# Altium PCB motor_drive.PcbDoc (continued)
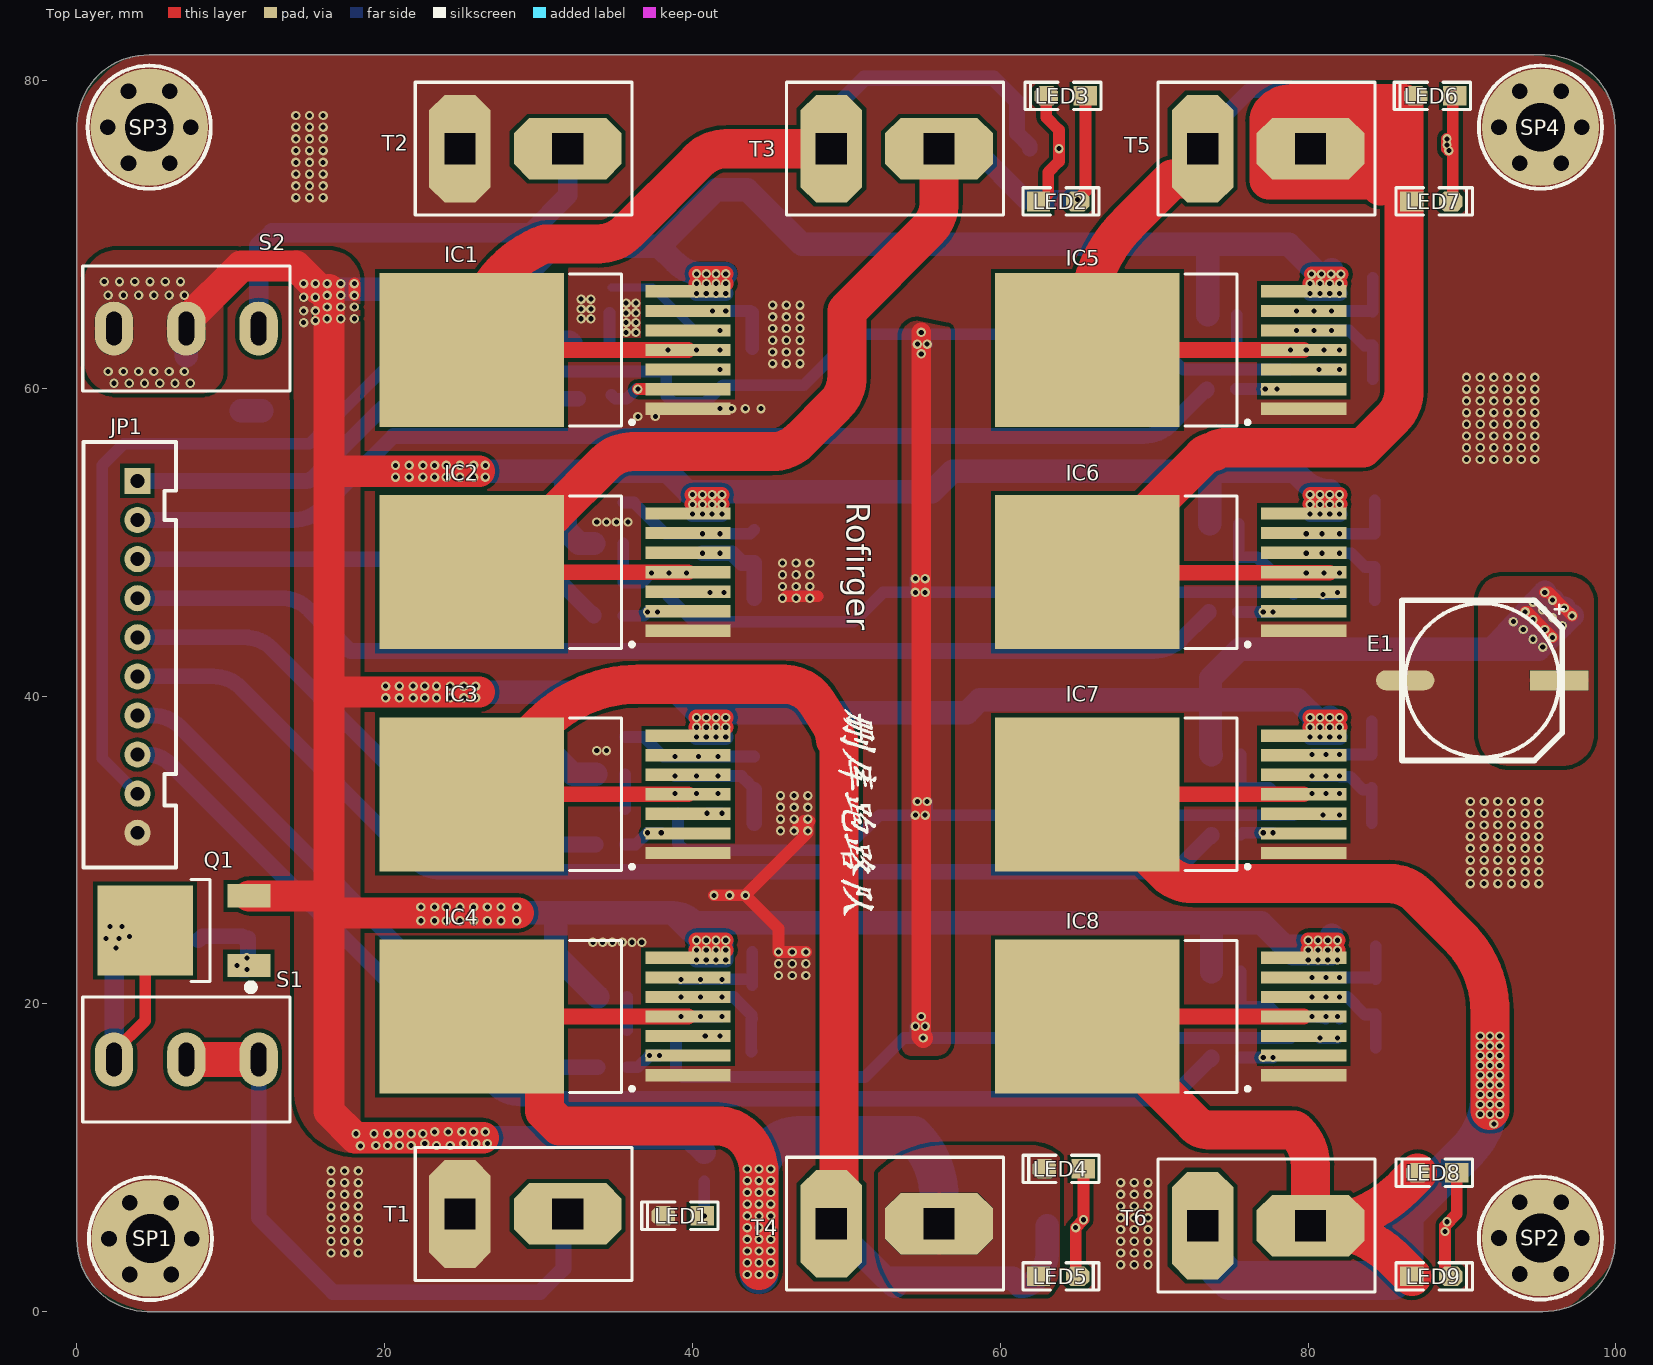
[diagram p0: Top Layer view]
## Nets (pads, with @x,y where several pads share a name; then routed paths per layer and width w, separated by ;. In a path a pad name is that pad's centre, name@x,y a point inside that pad or via, vN(x,y) a via of type N, cw(c..) or ccw(c..) an arc to the next point about the centre after c; other vN are vias at no path point)
EN: JP1.9 R4.1 R8.1 R12.1 R16.1 R20.1 R24.1 R28.1 R32.1 | length 291.5
  Top Layer w1.27: v1(54.864,63.627) v1(54.864,62.23) v1(54.864,19.177) 54.864,17.907 v1(54.991,17.78)
  Bottom Layer w0.762: JP1.9 1.651,35.941 1.651,54.991 3.048,56.388 15.113,56.388 19.812,61.087 R4.1 38.293,59.501 38.739,59.055 40.835,59.055 41.978,60.198 47.244,60.198 50.546,63.5 v1@54.864,63.5 ; R8.1 38.354,46.545 40.069,44.831 50.481,44.831 52.386,46.736 v1(54.483,46.736) ; R16.1 38.928,15.682 39.37,15.24 51.181,15.24 53.721,17.78 v1(54.991,17.78) ; R12.1 39.055,30.418 39.501,29.972 49.846,29.972 52.132,32.258 v1(54.483,32.258) ; v1(54.61,62.865) v1@54.864,62.865 ; v1(54.864,19.177) v1@54.864,18.923 ; v1(54.864,62.23) v1@54.864,62.865 ; v1(54.864,63.627) v1@54.864,63.5 ; v1(55.118,18.542) 54.864,18.796 v1@54.864,18.923 ; v1(55.245,62.865) v1@54.864,62.865 ; R20.1 71.882,61.214 69.596,63.5 v1@54.864,63.5 ; R32.1 v1(54.991,17.78) ; R28.1 v1(55.118,32.258) ; R24.1 79.06,46.672 78.996,46.736 v1(55.118,46.736) ; v1(54.483,32.258) v1(55.118,32.258) ; v1(54.483,32.258) 54.61,32.385 v1(54.61,33.147) v1(55.245,33.147) 55.245,32.385 v1(55.118,32.258) ; v1(54.483,46.736) v1(54.483,47.625) ; v1(54.483,46.736) v1(55.118,46.736) ; v1(54.483,47.625) v1@55.118,46.99 ; v1(54.483,47.625) v1(55.118,47.625) v1@55.118,46.99 ; v1@54.864,18.923 v1(54.483,18.542) 54.483,18.288 v1(54.991,17.78) ; v1@54.864,62.865 v1@54.864,63.5 ; v1(55.118,46.736) v1@55.118,46.99
GND: C1.2 C2.1 C4.2 C5.1 C6.1 C7.1 C8.1 C9.2 C11.1 C12.1 C13.2 C15.1 C16.1 C17.1 C18.2 C20.1 C21.1 C22.1 C23.2 C25.1 C26.1 C27.1 C28.2 C30.1 C31.1 C32.1 C33.2 C35.1 C36.1 C37.1 C38.2 C40.1 C41.1 E1.2 IC1.1 IC2.1 IC3.1 IC4.1 IC5.1 IC6.1 IC7.1 IC8.1 JP1.10 LED1.2 R1.2 R5.1 R6.1 R9.1 R10.1 R13.1 R14.1 R17.1 R18.1 R21.1 R22.1 R25.1 R26.1 R29.1 R30.1 R33.1 R34.1 SP1.1 SP2.1 SP3.1 SP4.1 T1.2 T2.2 | length 21.5
  Top Layer w0.762: v1(41.402,27.051) v1(42.418,27.051) v1(43.434,27.051) ; v1@46.101,46.482 46.99,46.482 48.133,46.482 ; 46.863,31.496 47.244,31.877 47.625,31.877 47.498,31.75 47.498,31.115 v1(43.434,27.051) ; v1(43.434,27.051) 45.593,24.892 v1(45.593,23.368) v1@45.847,23.368 ; v1@45.847,23.368 v1(47.371,23.368) v1(46.482,23.368) v1@45.847,23.368
  Bottom Layer w0.762: R10.1@46.101,46.482 46.99,46.482 48.133,46.482
  other v1: 67.818,3.048 68.707,3.048 69.596,3.048 16.51,3.81 17.399,3.81 18.288,3.81 67.818,3.81 68.707,3.81 69.596,3.81 16.51,4.572 17.399,4.572 18.288,4.572 67.818,4.572 68.707,4.572 69.596,4.572 16.51,5.334 17.399,5.334 18.288,5.334 67.818,5.334 68.707,5.334 69.596,5.334 16.51,6.096 17.399,6.096 18.288,6.096 67.818,6.096 68.707,6.096 69.596,6.096 16.51,6.858 17.399,6.858 18.288,6.858 67.818,6.858 68.707,6.858 69.596,6.858 16.51,7.62 17.399,7.62 18.288,7.62 67.818,7.62 68.707,7.62 69.596,7.62 16.51,8.382 17.399,8.382 18.288,8.382 67.818,8.382 68.707,8.382 69.596,8.382 16.51,9.144 17.399,9.144 18.288,9.144 45.593,21.844 46.482,21.844 47.371,21.844 45.593,22.606 46.482,22.606 47.371,22.606 33.528,24.003 34.163,24.003 34.798,24.003 35.433,24.003 36.068,24.003 36.703,24.003 90.551,27.813 91.44,27.813 92.329,27.813 93.218,27.813 94.107,27.813 94.996,27.813 90.551,28.575 91.44,28.575 92.329,28.575 93.218,28.575 94.107,28.575 94.996,28.575 90.551,29.337 91.44,29.337 92.329,29.337 93.218,29.337 94.107,29.337 94.996,29.337 90.551,30.099 91.44,30.099 92.329,30.099 93.218,30.099 94.107,30.099 94.996,30.099 90.551,30.861 91.44,30.861 92.329,30.861 93.218,30.861 94.107,30.861 94.996,30.861 45.72,31.242 46.609,31.242 47.498,31.242 90.551,31.623 91.44,31.623 92.329,31.623 93.218,31.623 94.107,31.623 94.996,31.623 45.72,32.004 46.609,32.004 47.498,32.004 90.551,32.385 91.44,32.385 92.329,32.385 93.218,32.385 94.107,32.385 94.996,32.385 45.72,32.766 46.609,32.766 47.498,32.766 90.551,33.147 91.44,33.147 92.329,33.147 93.218,33.147 94.107,33.147 94.996,33.147 45.72,33.528 46.609,33.528 47.498,33.528 33.782,36.449 34.417,36.449 45.847,46.355 46.736,46.355 47.625,46.355 45.847,47.117 46.736,47.117 47.625,47.117 45.847,47.879 46.736,47.879 47.625,47.879 45.847,48.641 46.736,48.641 47.625,48.641 33.782,51.308 34.417,51.308 35.052,51.308 35.814,51.308 90.297,55.372 91.186,55.372 92.075,55.372 92.964,55.372 93.853,55.372 94.742,55.372 90.297,56.134 91.186,56.134 92.075,56.134 92.964,56.134 93.853,56.134 94.742,56.134 90.297,56.896 91.186,56.896 92.075,56.896 92.964,56.896 93.853,56.896 94.742,56.896 90.297,57.658 91.186,57.658 92.075,57.658 92.964,57.658 93.853,57.658 94.742,57.658 36.449,58.166 37.592,58.166 90.297,58.42 91.186,58.42 92.075,58.42 92.964,58.42 93.853,58.42 94.742,58.42 41.783,58.674 42.545,58.674 43.434,58.674 44.45,58.674 90.297,59.182 91.186,59.182 92.075,59.182 92.964,59.182 93.853,59.182 94.742,59.182 90.297,59.944 91.186,59.944 92.075,59.944 92.964,59.944 93.853,59.944 94.742,59.944 90.297,60.706 91.186,60.706 92.075,60.706 92.964,60.706 93.853,60.706 94.742,60.706 45.212,61.595 46.101,61.595 46.99,61.595 45.212,62.357 46.101,62.357 46.99,62.357 45.212,63.119 46.101,63.119 46.99,63.119 35.687,63.627 36.322,63.627 45.212,63.881 46.101,63.881 46.99,63.881 35.687,64.262 36.322,64.262 32.766,64.516 33.401,64.516 45.212,64.643 46.101,64.643 46.99,64.643 35.687,64.897 36.322,64.897 32.766,65.151 33.401,65.151 45.212,65.405 46.101,65.405 46.99,65.405 35.687,65.532 36.322,65.532 32.766,65.786 33.401,65.786 14.224,72.39 15.113,72.39 16.002,72.39 14.224,73.152 15.113,73.152 16.002,73.152 14.224,73.914 15.113,73.914 16.002,73.914 14.224,74.676 15.113,74.676 16.002,74.676 14.224,75.438 15.113,75.438 16.002,75.438 14.224,76.2 15.113,76.2 16.002,76.2 14.224,76.962 15.113,76.962 16.002,76.962 14.224,77.724 15.113,77.724 16.002,77.724
M1+: C9.1 C10.1 IC2.4 IC2.8 LED2.2 LED3.1 T3.1 | length 86
  Top Layer w0.762: v2(65.024,72.263) 65.532,72.771 LED3.1
  Top Layer w1.016: IC2.8 IC2.4
  Top Layer w2.54: IC2.8 ccw(c25.654,53.976) 29.846,49.785 29.846,51.24 30.384,51.778 30.95,51.778 34.308,55.136 cw(c36.104,53.34) 36.104,55.88 45.176,55.88 ccw(c45.176,58.42) 46.972,56.624 49.294,58.946 ccw(c47.498,60.742) 50.038,60.742 50.038,65.024 55.278,70.264 ccw(c53.482,72.06) 56.022,72.06 T3.1
  Bottom Layer w0.762: C10.1 C9.1 36.703,47.371 v2(37.338,48.006) v2(38.481,48.006) v2(39.624,48.006)
  Bottom Layer w1.27: T3.1 58.342,75.565 61.644,72.263 v2(65.024,72.263)
M1-: C3.1 C4.1 IC1.4 IC1.8 R35.1 T3.2 | length 72.2
  Top Layer w1.016: IC1.8 IC1.4
  Top Layer w2.54: IC1.8 cw(c33.02,62.484) 30.434,69.381 33.912,69.381 ccw(c33.912,71.921) 35.708,70.125 40.404,74.821 cw(c42.2,73.025) 42.2,75.565 T3.2
  Bottom Layer w0.508: C3.1@35.05,62.484 v2(38.416,62.484) v2(40.259,62.484) v2(41.783,62.484)
  Bottom Layer w0.762: C3.1 C4.1
  Bottom Layer w1.016: T3.2 49.022,77.978 51.181,80.137 59.563,80.137 61.087,78.613 61.087,76.583 61.915,75.755 R35.1
M2+: C18.1 C19.1 IC4.4 IC4.8 LED4.2 LED5.1 T4.1 | length 78.3
  Top Layer w1.016: IC4.8 v2(39.243,19.177) IC4.4
  Top Layer w2.54: IC4.8 ccw(c29.027,19.177) 26.642,16.792 29.039,16.792 30.384,15.447 30.384,13.05 31.369,12.065 41.601,12.065 cw(c41.604,9.525) 43.653,11.027 cw(c40.854,8.977) 44.323,8.977 v1(44.323,8.509) v1(44.323,7.747) v1(44.323,6.985) v1(44.323,6.223) v1(44.323,5.461) v1(44.323,4.699) v1(44.323,3.937) v1(44.323,3.175) v1@44.323,2.667
  Bottom Layer w0.762: C18.1 35.748,19.177 ; C19.1 35.748,19.177 ; v2(41.91,19.177) v2(40.513,19.177) v2(39.243,19.177) 35.748,19.177
  Bottom Layer w2.54: v1(44.323,2.413) v1(44.323,3.175) v1(44.323,3.937) v1(44.323,4.699) v1(44.323,5.461) v1(44.323,6.223) v1(44.323,6.985) v1(44.323,7.747) v1(44.323,8.509) 44.323,8.828 cw(c46.925,8.828) 46.925,11.43 54.356,11.43 cw(c50.334,7.408) 56.022,7.408 T4.1
  other v1: 43.561,2.413 45.085,2.413 43.561,3.175 45.085,3.175 43.561,3.937 45.085,3.937 43.561,4.699 45.085,4.699 43.561,5.461 45.085,5.461 43.561,6.223 45.085,6.223 43.561,6.985 45.085,6.985 43.561,7.747 45.085,7.747 43.561,8.509 45.085,8.509 43.561,9.271 44.323,9.271 45.085,9.271
M2-: C13.1 C14.1 IC3.4 IC3.8 R36.1 T4.2 | length 101.2
  Top Layer w1.016: IC3.8 IC3.4
  Top Layer w2.54: IC3.8 30.197,38.156 cw(c36.501,31.852) 36.501,40.767 45.937,40.767 cw(c45.94,38.227) 48.089,39.582 49.001,38.134 cw(c47.428,37.143) 49.286,37.143 ; T4.2@49.403,5.715 49.53,5.842 49.53,37.016 49.403,37.143
  Bottom Layer w0.762: C13.1 35.621,33.782 ; C14.1 35.621,33.782 ; v2(41.656,33.655) 35.748,33.655 35.621,33.782
  Bottom Layer w1.524: T4.2 52.578,2.159 60.802,2.159 61.31,1.651 ccw(c61.31,2.952) 62.23,2.032 62.314,2.116 ccw(c60.518,3.912) 63.058,3.912 R36.1 ; 52.996,1.741 ccw(c53.213,1.958) 53.213,1.651
  other v2: 38.862,33.655 40.259,33.655
M3+: C28.1 C29.1 IC6.4 IC6.8 LED6.2 LED7.1 T5.1 | length 96.5
  Top Layer w1.016: IC6.8@68.199,48.006 IC6.4@81.407,48.006
  Top Layer w2.54: IC6.8 73.191,55.581 cw(c73.914,54.858) 73.914,55.88 cw(c74.527,55.267) 74.527,56.134 83.566,56.134 85.489,58.057 ccw(c83.693,59.853) 86.233,59.853 86.233,78.486 78.95,78.486 ccw(c78.95,76.752) 77.724,77.978 ccw(c78.337,77.365) 77.47,77.365 77.47,73.533 83.789,73.533 cw(c83.789,72.232) 84.709,73.152 84.709,77.216 83.492,77.216 ccw(c83.492,76.782) 83.185,77.089 82.728,76.632 cw(c80.152,79.208) T5.1
  Bottom Layer w0.762: C29.1 C28.1 76.708,49.022 77.724,48.006 v2(79.883,48.006) v2(81.026,48.006) v2(82.042,48.006)
M3-: C23.1 C24.1 IC5.4 IC5.8 R37.1 T5.2 | length 57.4
  Top Layer w1.016: IC5.8 v2(78.867,62.484) IC5.4 ; T5.2 T5.2@73.406,75.311
  Top Layer w2.54: IC5.8 65.659,64.379 cw(c74.574,64.379) 68.27,70.683 71.178,73.591 72.422,73.591 73.152,74.321 T5.2
  Bottom Layer w0.762: C24.1 C23.1 75.499,62.484 v2(78.867,62.484) v2(79.883,62.484) v2(81.026,62.484) v2(82.042,62.484)
  Bottom Layer w1.016: T5.2 73.152,76.288 76.239,79.375 83.947,79.375 86.934,76.388 R37.1
M4+: C38.1 C39.1 IC8.4 IC8.8 LED8.2 LED9.1 T6.1 | length 61.7
  Top Layer w1.016: IC8.8 IC8.4
  Top Layer w2.54: IC8.8 72.666,12.17 ccw(c73.533,13.037) 73.533,11.811 78.941,11.811 cw(c78.941,11.377) 79.248,11.684 cw(c77.066,9.502) 80.152,9.502 T6.1 ; LED9.1 85.763,3.264 ccw(c80.152,-2.348) T6.1 ; LED8.2 86.197,8.092 cw(c80.152,14.137) T6.1
  Bottom Layer w0.762: C39.1 C38.1 77.47,19.812 78.232,19.05 v2(80.264,19.177) 81.135,19.053 v2@81.153,19.05 ; v2(81.153,19.177) v2(81.915,19.177) v2@82.042,19.05
M4-: C33.1 C34.1 IC7.4 IC7.8 R38.1 T6.2 | length 95.1
  Top Layer w1.016: IC7.8 IC7.4
  Top Layer w2.54: IC7.8 70.715,28.557 ccw(c72.511,30.353) 72.511,27.813 85.308,27.813 cw(c85.308,25.273) 87.104,27.069 89.789,24.384 cw(c84.883,19.478) 91.821,19.478 v1(91.821,17.907) v1(91.821,17.272) v1(91.821,16.637) v1(91.821,16.002) v1(91.821,15.367) v1(91.821,14.732) v1(91.821,14.097) v1(91.821,13.462) v1@91.821,13.081
  Bottom Layer w0.762: C34.1 C33.1 77.47,34.036 77.851,33.655 v2(80.264,33.655) v2(81.153,33.655) v2(82.042,33.655)
  Bottom Layer w2.54: T6.2 ccw(c77.444,5.588) 74.409,2.553 74.93,2.032 85.471,2.032 ccw(c83.631,3.872) 86.233,3.872 86.233,5.842 cw(c87.459,5.842) 86.592,6.709 90.297,10.414 ccw(c86.618,14.093) 91.821,14.093 v1(91.821,14.097) v1(91.821,14.732) v1(91.821,15.367) v1(91.821,16.002) v1(91.821,16.637) v1(91.821,17.272) v1(91.821,17.907)
  other v1: 92.075,12.192 91.186,12.827 91.821,12.827 92.456,12.827 91.186,13.462 92.456,13.462 91.186,14.097 92.456,14.097 91.186,14.732 92.456,14.732 91.186,15.367 92.456,15.367 91.186,16.002 92.456,16.002 91.186,16.637 92.456,16.637 91.186,17.272 92.456,17.272 91.186,17.907 92.456,17.907
NetC5_2: C5.2 IC1.6 R5.2 | length 5.1
  Bottom Layer w0.762: v2@41.148,65.024 v2(41.307,65.024) v2(42.164,65.024) 43.754,65.024 C5.2
  Bottom Layer w0.889: R5.2 C5.2
NetC6_2: C6.2 IC1.5 R6.2 | length 8.2
  Bottom Layer w0.508: C6.2@34.732,66.548 37.399,66.548 R6.2 v2(41.783,63.754)
NetC8_2: C8.2 IC2.6 R9.2 | length 9.5
  Bottom Layer w0.762: R9.2 36.195,52.578 38.227,50.546 v2(40.64,50.546) v2(41.783,50.546) 43.754,50.546 C8.2
NetC11_2: C11.2 IC2.5 R10.2 | length 5.9
  Bottom Layer w1.016: v2(40.64,49.276) v2(41.783,49.276) 42.567,49.276 43.202,48.641 C11.2 R10.2
NetC15_2: C15.2 IC3.6 R13.2 | length 8.9
  Bottom Layer w0.762: C15.2 36.83,37.338 38.1,36.068 R13.2
  other v2: 38.862,36.068 40.386,36.068 41.656,36.068
NetC16_2: C16.2 IC3.5 R14.2 | length 7.2
  Bottom Layer w0.762: v2(38.862,34.798) v2(40.259,34.798) v2(41.656,34.798) 43.18,34.798 R14.2@43.688,34.29
  Bottom Layer w1.016: C16.2 R14.2
NetC20_2: C20.2 IC4.6 R17.2 | length 6.8
  Bottom Layer w0.762: v1(39.243,21.59) v2(40.513,21.59) C20.2@43.881,21.59 ; C20.2 R17.2
  other v2: 41.91,21.59
NetC21_2: C21.2 IC4.5 R18.2 | length 7.6
  Bottom Layer w0.762: v2(39.243,20.447) v2(40.513,20.447) v2(41.91,20.447) 42.675,20.447 42.802,20.32 42.802,20.311 43.174,19.939 43.183,19.939 43.851,19.271 C21.2@43.851,19.02 ; R18.2@43.851,16.922 R18.2 43.82,18.989 C21.2@43.851,19.02 ; C21.2 C21.2@43.851,19.02
NetC25_2: C25.2 IC5.6 R21.2 | length 7.2
  Bottom Layer w0.762: v2(79.248,65.024) v2(80.391,65.024) v2(81.534,65.024) 84.164,65.024 C25.2 R21.2
NetC26_2: C26.2 IC5.5 R22.2 | length 7.6
  Bottom Layer w0.762: v2(79.248,63.754) v2(80.391,63.754) v2(81.534,63.754) 82.677,63.754 83.651,62.78 R22.2 C26.2
NetC30_2: C30.2 IC6.6 R25.2 | length 6.6
  Bottom Layer w0.762: v2(79.883,50.546) v2(80.899,50.546) v2(82.042,50.546) R25.2 C30.2
NetC31_2: C31.2 IC6.5 R26.2 | length 7
  Bottom Layer w0.762: v2(79.883,49.276) v2(80.899,49.276) v2(82.042,49.276) 82.804,49.276 83.693,48.387 C31.2 R26.2
NetC35_2: C35.2 IC7.6 R29.2 | length 6
  Bottom Layer w0.762: v2(80.264,36.195) v2(81.153,36.195) v2(82.042,36.195) C35.2 R29.2
NetC36_2: C36.2 IC7.5 R30.2 | length 6.6
  Bottom Layer w0.762: v2(80.264,34.798) v2(81.153,34.798) v2(82.042,34.798) 82.093,34.747 82.728,34.747 83.566,33.909 84.013,33.909 C36.2 R30.2
NetC40_2: C40.2 IC8.6 R33.2 | length 6.3
  Bottom Layer w0.762: v2(80.264,21.717) v2(81.153,21.717) v2(82.042,21.717) 84.267,21.717 C40.2 R33.2
NetC41_2: C41.2 IC8.5 R34.2 | length 6.8
  Bottom Layer w0.762: v2(80.264,20.447) v2(81.153,20.447) v2(82.042,20.447) 82.55,20.447 83.693,19.304 R34.2 C41.2
NetD1_1: D1.1 Q1.1 R1.1 | length 7.1
  Bottom Layer w1.016: D1.1@7.888,24.13 8.142,24.384 10.734,24.384 R1.1@11.115,24.003 ; v2(11.049,22.987) 10.541,22.479 v2(10.414,22.479) 10.668,22.225 v2(11.049,22.225) 11.115,22.291 R1.1@11.115,24.003 ; R1.1 R1.1@11.115,24.003
NetD1_2: D1.2 Q1.2 S1.3 | length 17.2
  Top Layer w0.762: S1.3 2.411,16.883 4.436,18.908 Q1.2
  Bottom Layer w1.27: S1.3@2.651,17.018 2.413,17.256 2.413,23.622 2.413,24.257 2.54,24.257 v4(2.723,24.257) D1.2@3.034,24.257
  other v4: 2.54,23.622 1.905,24.257 3.429,24.384 2.159,25.019 2.921,25.019
NetIC1_2: IC1.2 R3.2 | length 5.3
  Top Layer w0.762: v1(36.449,59.944) IC1.2
  Bottom Layer w0.762: R3.2@34.732,59.563 34.986,59.309 35.718,59.309 36.353,59.944 v1(36.449,59.944)
NetIC1_3: IC1.3 R4.2 | length 1.6
  Bottom Layer w0.254: R4.2 R4.2@40.32,61.214
  Bottom Layer w0.508: R4.2@40.32,61.214 v2(41.783,61.214)
NetIC2_2: IC2.2 R7.2 | length 2.3
  Bottom Layer w0.762: R7.2 36.83,45.212 v2(37.084,45.466) v2(37.719,45.466)
NetIC2_3: IC2.3 R8.2 | length 1.8
  Bottom Layer w0.762: R8.2 v2(41.148,46.736) v2(42.037,46.736)
NetIC3_2: IC3.2 R11.2 | length 2.7
  Bottom Layer w0.762: R11.2 36.322,30.353 v2(37.084,31.115) v2(37.973,31.115)
NetIC3_3: IC3.3 R12.2 | length 1
  Bottom Layer w0.762: v2(40.955,32.385) v2(41.91,32.385)
NetIC4_2: IC4.2 R15.2 | length 2.4
  Bottom Layer w0.762: R15.2 36.449,15.875 v2(37.211,16.637) v2(37.846,16.637)
NetIC4_3: IC4.3 R16.2 | length 1
  Bottom Layer w0.762: v2(40.828,17.907) v2(41.783,17.907)
NetIC5_2: IC5.2 R19.2 | length 2.7
  Bottom Layer w0.762: R19.2 v2(77.216,59.944) v2(77.978,59.944)
NetIC5_3: IC5.3 R20.2 | length 1.3
  Bottom Layer w0.762: v2(80.706,61.214) v2(82.042,61.214)
NetIC6_2: IC6.2 R23.2 | length 2.3
  Bottom Layer w0.762: R23.2 v2(77.089,45.466) v2(77.724,45.466)
NetIC6_3: IC6.3 R24.2 | length 1
  Bottom Layer w0.762: v2(80.96,46.609) 81.184,46.609 81.243,46.668 81.847,46.668 v2(81.915,46.736)
NetIC7_2: IC7.2 R27.2 | length 2.2
  Bottom Layer w0.762: R27.2 75.753,31.115 v2(77.089,31.115) v2(77.724,31.115)
NetIC7_3: IC7.3 R28.2 | length 1.1
  Bottom Layer w0.762: v2(80.96,32.258) v2(82.042,32.258)
NetIC8_2: IC8.2 R31.2 | length 2.1
  Bottom Layer w0.762: R31.2 v2(77.089,16.51) v2(77.724,16.51)
NetIC8_3: IC8.3 R32.2 | length 1.1
  Bottom Layer w0.762: v2(80.772,17.78) v2(81.915,17.78)
NetLED1_1: LED1.1 R2.2 | length 2.2
  Bottom Layer w0.762: v2(40.767,6.223) R2.2
NetLED2_1: LED2.1 LED3.2 R35.2 | length 7.8
  Top Layer w0.762: LED2.1 62.611,72.136 63.119,72.644 63.119,74.041 63.815,74.737 v3(63.815,75.565) 63.815,76.774 62.992,77.597 LED3.2
NetLED4_1: LED4.1 LED5.2 R36.2 | length 7.2
  Top Layer w0.762: LED5.2 64.897,2.413 v3(64.897,5.461) v3(65.405,5.969) LED4.1
NetLED6_1: LED6.1 LED7.2 R37.2 | length 8.6
  Top Layer w0.762: v3(89.027,76.2) v3(89.027,75.819) 89.027,75.565 v3(89.154,75.438) ; LED7.2 89.408,72.263 89.408,78.867 LED6.1
  Bottom Layer w0.762: v3(89.027,76.2) v3(89.027,75.819) 89.027,75.565 v3(89.154,75.438)
NetLED8_1: LED8.1 LED9.2 R38.2 | length 7.2
  Top Layer w0.762: LED9.2 89.248,2.286 88.994,2.54 88.994,2.573 88.9,2.667 88.9,5.588 89.662,6.35 LED8.1
  other v3: 88.9,5.207 89.027,5.842
NetS1_1: S1.1 S1.2 T1.1 | length 45.8
  Top Layer w2.286: S1.2 S1.1
  Bottom Layer w1.016: S1.1 11.811,6.096 16.637,1.27 30.099,1.27 31.623,2.794 31.623,6.081 T1.1
  Bottom Layer w2.286: S1.2 S1.1
NetS2_1: S2.1 T2.1 | length 29.8
  Bottom Layer w1.27: S2.1 11.811,69.215 12.7,70.104 29.464,70.104 31.892,72.532 T2.1
PWM1: JP1.1 R3.1 | length 30.7
  Bottom Layer w1.016: JP1.1 14.933,53.975 ccw(c14.933,54.409) 15.24,54.102 19.703,58.565 cw(c21.499,56.769) 21.499,59.309 R3.1
PWM2: JP1.3 R7.1 | length 31.1
  Bottom Layer w1.016: JP1.3 28.859,48.895 cw(c28.859,46.355) 30.655,48.151 33.467,45.339 33.53,45.339 33.594,45.275 R7.1
PWM3: JP1.5 R11.1 | length 35.1
  Bottom Layer w1.016: JP1.5 10.886,43.815 cw(c10.886,41.275) 12.682,43.071 24.656,31.097 ccw(c26.452,32.893) 26.452,30.353 R11.1
PWM4: JP1.7 R15.1 | length 39.2
  Bottom Layer w1.016: JP1.7 4.917,38.735 cw(c4.917,36.195) 6.713,37.991 28.085,16.619 ccw(c29.881,18.415) 29.881,15.875 R15.1
PWM5: JP1.2 R19.1 | length 72.8
  Bottom Layer w1.016: JP1.2 14.061,51.435 ccw(c14.061,53.975) 15.857,52.179 20.574,56.896 69.306,56.896 ccw(c69.306,59.436) 71.102,57.64 73.279,59.817 73.343,59.817 73.406,59.88 R19.1
PWM6: JP1.4 R23.1 | length 71.9
  Bottom Layer w1.016: JP1.4 13.299,46.355 cw(c13.299,43.815) 15.095,45.611 17.78,42.926 69.946,42.926 ccw(c69.946,45.466) 71.742,43.67 73.411,45.339 73.474,45.339 73.538,45.402 R23.1
PWM7: JP1.6 R27.1 | length 75.8
  Bottom Layer w1.016: JP1.6 8.854,41.275 cw(c8.854,38.735) 10.65,40.531 21.862,29.319 ccw(c23.658,31.115) 23.658,28.575 70.261,28.575 ccw(c70.261,31.115) 72.057,29.319 73.599,30.861 73.662,30.861 73.726,30.924 R27.1
PWM8: JP1.8 R31.1 | length 79.9
  Bottom Layer w1.016: JP1.8 4.563,36.195 cw(c4.563,34.027) 6.096,35.56 27.069,14.587 ccw(c28.865,16.383) 28.865,13.843 70.007,13.843 ccw(c70.007,16.383) 71.803,14.587 73.599,16.383 73.662,16.383 73.726,16.446 R31.1
VCC: C1.1 C2.2 C3.2 C7.2 C10.2 C12.2 C14.2 C17.2 C19.2 C22.2 C24.2 C27.2 C29.2 C32.2 C34.2 C37.2 C39.2 E1.1 IC1.7 IC2.7 IC3.7 IC4.7 IC5.7 IC6.7 IC7.7 IC8.7 Q1.3 R2.1 S2.2 S2.3 | length 568.5
  Top Layer w0.762: v1(18.034,66.04) v1(18.034,66.802) ; v1(94.107,45.466) 94.234,45.466 v1(95.377,44.323) v1(95.885,43.815) ; v1(95.377,46.736) 95.631,46.736 v1(96.647,45.72) v1(97.155,45.212)
  Top Layer w1.016: v2(40.005,52.451) v2(40.64,52.451) v2(41.275,52.451) v2(41.91,52.451) ; v1(40.005,53.086) v1(40.64,53.086) v1(41.275,53.086) v1(41.91,53.086) ; v2(40.259,23.495) v2(40.894,23.495) v2(41.529,23.495) v2(42.164,23.495) ; v1(40.259,24.13) v1(40.894,24.13) v1(41.529,24.13) v1(42.164,24.13) ; v2(40.259,37.973) v2(40.894,37.973) v2(41.529,37.973) v2(42.164,37.973) ; v1(40.259,38.608) v1(40.894,38.608) v1(41.529,38.608) v1(42.164,38.608) ; v2(40.259,66.802) v2(40.894,66.802) v2(41.529,66.802) v2(42.164,66.802) ; v1(40.259,67.437) v1(40.894,67.437) v1(41.529,67.437) v1(42.164,67.437) ; v2(80.01,23.495) v2(80.645,23.495) v2(81.28,23.495) v2(81.915,23.495) ; v1(80.01,24.13) v1(80.645,24.13) v1(81.28,24.13) v1(81.915,24.13) ; v2(80.137,37.973) v2(80.772,37.973) v2(81.407,37.973) v2(82.042,37.973) ; v1(80.137,38.608) v1(80.772,38.608) v1(81.407,38.608) v1(82.042,38.608) ; v2(80.137,52.451) v2(80.772,52.451) v2(81.407,52.451) v2(82.042,52.451) ; v1(80.137,53.086) v1(80.772,53.086) v1(81.407,53.086) v1(82.042,53.086) ; v2(80.137,66.802) v2(80.772,66.802) v2(81.407,66.802) v2(82.042,66.802) ; v1(80.229,67.419) v1(80.864,67.419) v1(81.499,67.419) v1(82.134,67.419)
  Top Layer w2.032: S2.2 7.111,64.381 10.675,67.945 14.224,67.945 15.748,66.421 ; Q1.3 16.295,27.012 16.383,26.924 ; 16.383,66.421 16.383,54.61 ; 26.162,40.259 16.383,40.259 ; 26.162,54.61 16.383,54.61 ; 26.416,11.303 18.086,11.303 16.383,13.006 16.383,25.908 ; 28.702,25.908 16.383,25.908 ; 16.383,25.908 16.383,26.924 ; 16.383,26.924 16.383,40.259 ; 16.383,40.259 16.383,54.61
  Bottom Layer w1.016: v1(40.005,51.816) v2(40.64,51.816) v2(41.275,51.816) v2(41.91,51.816) ; v2(40.005,52.451) v2(40.64,52.451) v2(41.275,52.451) 41.465,52.451 v2(41.91,52.451) ; v1(40.259,24.13) v2(40.259,23.495) ; v2(40.259,37.338) v2(40.894,37.338) v2(41.529,37.338) v2(42.164,37.338) ; v2(40.259,37.973) v2(40.894,37.973) v2(41.529,37.973) v2(42.164,37.973) ; v2(40.259,66.167) v2(40.894,66.167) v2(41.529,66.167) v2(42.164,66.167) ; v2(40.259,66.802) v2(40.894,66.802) v2(41.529,66.802) v2(42.164,66.802) ; v1(42.164,24.13) v2(42.164,23.495) ; 78.232,24.003 80.455,24.003 ccw(c80.455,25.529) C37.2 ; v1(80.137,38.608) v2(80.137,37.973) v2(80.137,37.338) v2(80.772,37.338) v2(81.407,37.338) v2(82.042,37.338) ; v2(80.137,51.816) v2(80.772,51.816) v2(81.407,51.816) v2(82.042,51.816) ; v2(80.137,52.451) v2(80.772,52.451) v2(81.407,52.451) v2(82.042,52.451) ; v1(80.137,53.086) v1(80.772,53.086) v1(81.407,53.086) v1(82.042,53.086) ; v2(80.137,66.167) v2(80.772,66.167) v2(81.407,66.167) v2(82.042,66.167) ; v2(80.137,66.802) v2(80.772,66.802) 81.28,66.802 v2(81.407,66.802) 81.534,66.802 v2(82.042,66.802) ; v2(82.042,37.973) 81.741,37.973 cw(c81.741,39.577) 81.407,38.008 cw(c81.741,39.577) 80.607,38.443 cw(c81.005,38.044) 81.005,38.608 v1(81.407,38.608) v1(82.042,38.608) ; v2(40.259,23.495) v2(40.259,22.86) v2(40.894,22.86) v2(41.529,22.86) v2(42.164,22.86) v2(42.164,23.495) ; v2(40.259,23.495) v2(40.894,23.495) 41.148,23.495 v2(41.529,23.495) v2(42.164,23.495)
  Bottom Layer w1.524: 7.111,62.104 S2.2 S2.2@7.298,64.068 ; 10.668,58.547 C1.1@12.004,58.547 ; 16.51,66.421 28.157,66.421 ; 18.288,11.176 cw(c18.595,10.869) 18.595,11.303 39.812,11.303 R2.1 ; 19.558,40.132 19.558,40.259 30.734,40.259 ; 20.828,54.61 31.75,54.61 ; 22.479,25.781 cw(c22.786,25.474) 22.786,25.908 31.115,25.908 ; 32.131,62.865 32.004,62.992 29.337,62.992 28.157,64.172 28.157,66.421 ; C10.2 32.643,49.911 31.75,50.804 31.75,54.61 ; C14.2 32.258,34.925 30.734,36.449 30.734,40.259 ; C19.2 31.115,23.18 31.115,25.908 ; v2@41.529,23.114 41.148,23.495 38.735,25.908 ; v2@41.529,37.592 v2(41.529,37.973) C12.2 ; 41.529,52.07 41.465,52.133 41.465,52.451 41.465,53.216 C7.2 ; v1(42.164,67.437) v1(41.529,67.437) v1(40.894,67.437) 40.676,67.437 cw(c40.676,69.977) 38.88,68.181 37.846,69.215 ; C24.2 73.472,69.276 73.406,69.342 ; C29.2 73.599,54.549 73.66,54.61 ; C39.2 73.726,25.207 73.66,25.273 ; C34.2 73.66,36.261 73.66,39.751 ; v1(81.407,38.608) 81.407,38.008 81.407,37.643 80.607,38.443 79.299,39.751 73.66,39.751 ; C27.2 cw(c81.407,55.793) 79.673,54.058 79.121,54.61 73.66,54.61 ; C37.2 81.534,23.241 78.994,23.241 78.232,24.003 76.962,25.273 73.66,25.273 ; C22.2 81.534,66.802 v2@81.534,66.548 ; 81.661,66.421 v2@81.534,66.548 ; v1@94.718,44.902 94.701,44.882 94.109,44.21 94.084,44.181 94.071,44.167 93.091,43.053 ; v1@94.719,44.902 94.731,44.917 95.268,45.527 95.293,45.555 95.318,45.584 v1(95.885,46.228) ; v1@94.751,43.625 94.721,43.592 94.234,43.053 ; v1@94.752,43.625 94.754,43.628 95.353,44.29 95.356,44.293 95.38,44.32 95.955,44.955 95.988,44.992 96.021,45.028 96.557,45.62 96.623,45.693 v1(96.647,45.72) ; v1(95.377,46.736) 95.36,46.717 94.748,46.06 94.706,46.016 94.154,45.422 94.136,45.404 93.525,44.747 93.483,44.702 91.948,43.053 ; v1(97.155,45.212) v1(96.52,44.577) 94.996,43.053 94.234,43.053 ; 28.157,66.421 30.951,69.215 37.846,69.215 ; 30.734,40.259 38.987,40.259 40.317,38.928 C12.2 ; 31.115,25.908 38.735,25.908 ; 31.75,54.61 38.354,54.61 39.685,53.279 C7.2 ; 37.846,69.215 41.529,72.898 43.561,72.898 47.117,69.342 73.406,69.342 ; 38.735,25.908 cw(c38.735,24.068) 40.036,25.369 ; 40.036,25.369 ccw(c40.274,25.607) 40.274,25.271 C17.2@41.968,25.271 ; 40.036,25.369 40.767,24.638 40.767,24.13 41.272,23.625 41.529,23.625 C17.2 C17.2@41.968,25.271 ; C12.2 57.851,38.928 58.674,39.751 73.66,39.751 ; C7.2 55.565,53.279 56.896,54.61 73.66,54.61 ; C17.2@41.968,25.271 42.585,25.271 42.587,25.273 73.66,25.273 ; 73.406,69.342 78.74,69.342 81.28,66.802 v2@81.534,66.548 ; 73.66,39.751 73.66,41.148 75.565,43.053 91.948,43.053 ; 91.948,43.053 93.091,43.053 ; 93.091,43.053 94.234,43.053
  other v1: 18.415,10.767 19.431,10.795 20.193,10.795 20.955,10.795 21.717,10.795 23.368,10.795 24.257,10.795 22.606,10.922 25.146,10.922 25.908,10.922 26.67,10.922 18.133,11.557 19.304,11.557 20.193,11.557 20.955,11.557 21.717,11.557 22.479,11.557 23.241,11.684 24.13,11.684 25.019,11.684 25.781,11.684 26.543,11.684 22.352,25.4 23.241,25.4 24.003,25.4 24.892,25.4 25.781,25.4 26.67,25.4 27.559,25.4 28.575,25.4 22.352,26.289 23.241,26.289 24.003,26.289 24.892,26.289 25.781,26.289 26.67,26.289 27.559,26.289 28.575,26.289 20.066,39.878 20.955,39.878 21.844,39.878 22.606,39.878 23.368,39.878 24.257,39.878 25.146,39.878 25.908,39.878 20.066,40.64 20.955,40.64 21.844,40.64 22.606,40.64 23.368,40.64 24.257,40.64 25.146,40.64 25.908,40.64 95.25,43.18 94.615,43.688 93.98,44.323 93.345,44.831 94.615,44.958 95.885,45.085 95.25,45.593 94.615,46.101 20.701,54.229 21.59,54.229 22.479,54.229 23.241,54.229 24.003,54.229 24.892,54.229 25.781,54.229 26.543,54.229 20.701,54.991 21.59,54.991 22.479,54.991 23.241,54.991 24.003,54.991 24.892,54.991 25.781,54.991 26.543,54.991 2.411,60.327 3.402,60.327 4.393,60.327 5.384,60.327 6.375,60.327 7.366,60.327 2.03,61.089 3.021,61.089 4.012,61.089 5.003,61.089 5.994,61.089 6.985,61.089 14.732,64.262 15.494,64.389 16.256,64.516 17.145,64.516 18.034,64.516 14.732,65.024 15.494,65.024 16.256,65.278 17.145,65.278 18.034,65.278 14.732,65.913 15.494,65.913 2.03,66.042 3.021,66.042 4.012,66.042 5.003,66.042 5.994,66.042 6.985,66.042 16.256,66.04 17.145,66.04 14.732,66.802 15.494,66.802 16.256,66.802 17.145,66.802 1.776,66.931 2.767,66.931 3.758,66.931 4.749,66.931 5.74,66.931 6.731,66.931
  other v2: 80.01,22.86 80.645,22.86 81.28,22.86 81.915,22.86

## Polygon pours and split planes (outlines as drawn)
GND on Bottom Layer "Bottom Layer-GND" (solid, pour order 68): 0,4.664 ccw(c3.902,4.664) 1.143,1.905 ccw(c5.742,6.504) 5.742,0 95.377,0 ccw(c95.377,3.679) 97.979,1.078 99.051,2.15 ccw(c96.883,4.318) 99.949,4.318 99.949,76.835 ccw(c96.576,76.835) 98.961,79.22 97.957,80.224 ccw(c94.488,76.755) 94.488,81.661 4.559,81.661 ccw(c4.559,78.626) 2.413,80.772 1.078,79.437 ccw(c3.679,76.835) 0,76.835
no net on Bottom Layer "Bottom Layer-No Net 2" (solid, pour order 48): 0,81.661
VCC on Bottom Layer "Bottom Layer-VCC" (solid, pour order 40): 14.224,67.437 14.224,64.237 ccw(c16.231,64.237) 16.231,62.23 29.21,62.23 ccw(c29.21,64.135) 31.115,64.135 31.115,67.056 ccw(c29.845,67.056) 29.845,68.326 15.231,68.326 ccw(c15.231,67.304) 14.209,67.304
VCC on Bottom Layer "Bottom Layer-VCC 1" (solid, pour order 30): 0.508,60.833 ccw(c1.524,60.706) 1.397,59.69 7.239,59.69 cw(c7.437,58.093) 8.951,58.638 9.674,57.858 ccw(c10.16,59.436) 10.16,57.785 12.192,57.785 ccw(c12.192,58.293) 12.7,58.293 12.7,59.309 ccw(c12.192,59.309) 12.192,59.817 10.795,59.817 cw(c10.795,61.087) 9.525,61.087 9.525,66.04 ccw(c7.779,66.389) 8.128,68.135 1.841,68.135 ccw(c1.903,66.741) 0.508,66.675
no net on Bottom Layer "Bottom Layer-No Net" (solid, pour order 10): 6.096,74.295
no net on Bottom Layer "Bottom Layer-No Net 1" (solid, pour order 4): 41.021,68.199
GND on Top Layer "Top Layer-GND" (solid, pour order 66): 0,76.835 0,4.826 ccw(c4.906,4.826) 1.437,1.357 0.889,1.905 ccw(c5.488,6.504) 5.488,0 95.517,0 ccw(c95.517,3.035) 97.663,0.889 98.961,2.187 ccw(c96.576,4.572) 99.949,4.572 99.949,77.176 ccw(c96.48,77.176) 98.933,79.629 ccw(c94.027,74.723) 94.027,81.661 4.699,81.661 ccw(c4.699,77.675) 1.881,80.494 1.257,79.87 ccw(c4.292,76.835)
no net on Top Layer "Top Layer-No Net 2" (solid, pour order 64): 0,76.835
M2+ on Top Layer "Top Layer-M2+" (solid, pour order 62): 52.07,4.336 ccw(c56.406,4.336) 53.34,1.27 ccw(c53.647,1.577) 53.647,1.143 63.119,1.143 ccw(c61.279,2.983) 63.881,2.983 63.881,10.033 ccw(c62.041,8.193) 62.041,10.795 56.362,10.795 ccw(c56.362,4.725) 52.07,9.017
no net on Top Layer "Top Layer-No Net 3" (solid, pour order 60): 52.578,10.033
EN on Top Layer "Top Layer-EN" (solid, pour order 46): 54.637,64.389 ccw(c54.61,63.373) 53.594,63.373 53.594,17.272 ccw(c54.229,17.272) 54.229,16.637 55.88,16.637 ccw(c55.88,17.526) 56.769,17.526 56.769,63.754 ccw(c56.515,63.754) 56.565,64.003
VCC on Top Layer "Top Layer-VCC" (solid, pour order 44): 11.049,68.961 2.54,68.961 ccw(c2.54,66.929) 0.508,66.929 0.508,61.722 ccw(c2.54,61.722) 2.54,59.69 8.128,59.69 ccw(c8.128,61.087) 9.525,61.087 9.525,67.437 cw(c11.049,67.437)
VCC on Top Layer "Top Layer-VCC 1" (solid, pour order 42): 14.131,59.177 14.131,14.317 ccw(c18.161,14.317) 18.161,10.287 ccw(c18.161,10.541) 18.415,10.541 18.415,59.398 ccw(c18.366,59.398) 18.366,59.447
VCC on Top Layer "Top Layer-VCC 2" (solid, pour order 38): 16.408,68.961 cw(c16.408,66.954) 18.415,66.954 18.415,59.817 cw(c17.145,59.817) 17.145,58.547 14.986,58.547 cw(c14.986,59.436) 14.097,59.436 14.097,68.961
no net on Top Layer "Top Layer-No Net" (solid, pour order 36): 14.478,68.961
no net on Top Layer "Top Layer-No Net 1" (solid, pour order 34): 15.367,68.199
VCC on Top Layer "Top Layer-VCC 3" (solid, pour order 32): 91.066,37.474 ccw(c93.072,37.474) 93.072,35.467 96.552,35.467 ccw(c96.552,37.474) 98.559,37.474 98.559,46.135 ccw(c96.908,46.135) 96.908,47.786 92.59,47.786 ccw(c92.59,46.262) 91.066,46.262

## Other copper
Bottom Layer:
  pour cut-out: 35.814,30.988 cw(c35.507,30.681) 35.941,30.681 35.941,29.083 39.063,29.083 ccw(c39.063,29.517) 39.37,29.21 ccw(c39.063,29.517) 39.497,29.517 39.497,31.242
  pour cut-out: 45.974,10.922

## Silkscreen, mask and mechanical layers (free items; w line width, h text height)
Top Overlay:
  drawing of 894 lines, arcs and shapes, not listed
  text "Rofirger" at 50.038,52.578 h1.52 r270
Mechanical 1:
  lines w0.254: 0,77.026 0,4.699 ccw(c4.635,4.636) 4.572,0 95.25,0 ccw(c95.313,4.636) 99.949,4.572 99.949,76.96 ; 0,77.089 cw(c4.635,77.026) 4.699,81.661 95.377,81.661 cw(c95.313,77.023) 99.951,76.96